# Altium PCB PCB_3U_DDS.PcbDoc (part 11 of 12) (continued)
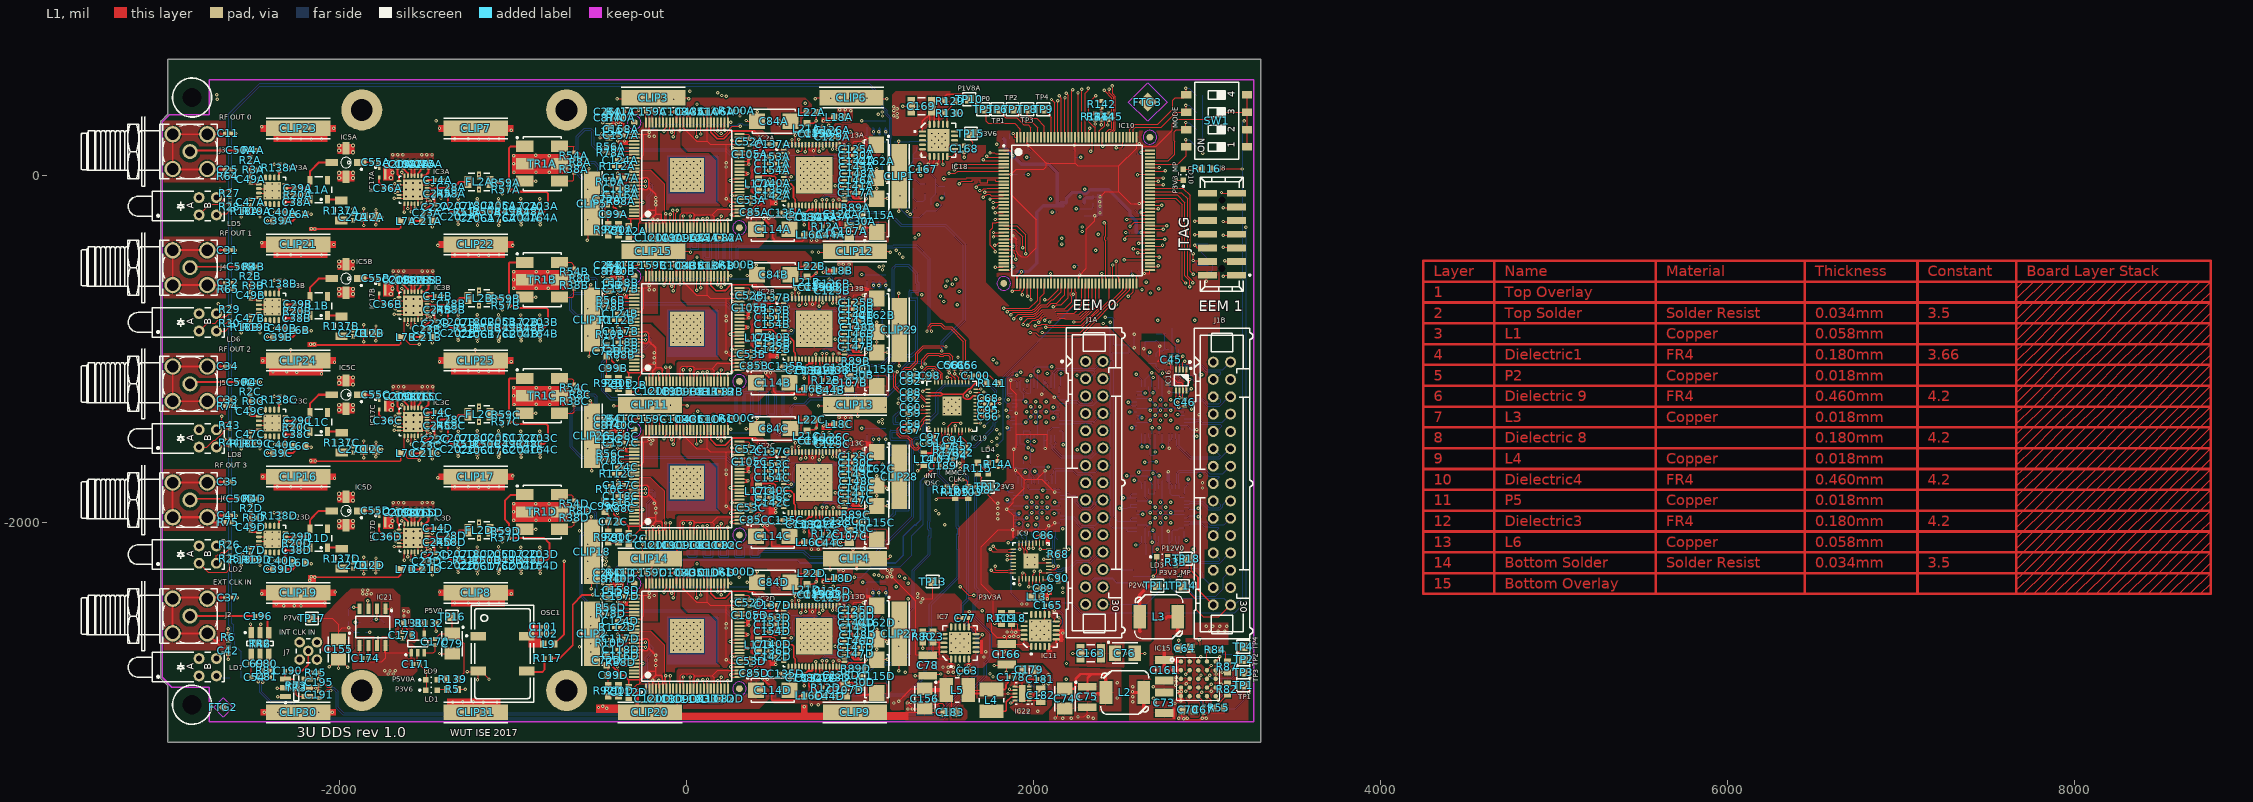
[diagram p0: L1 view]
## Nets (pads, with @x,y where several pads share a name; then routed paths per layer and width w, separated by ;. In a path a pad name is that pad's centre, name@x,y a point inside that pad or via, vN(x,y) a via of type N, cw(c..) or ccw(c..) an arc to the next point about the centre after c; other vN are vias at no path point) (continued)
RSET1A: IC2A.84 R112A.1 | length 95.8
  L1 w5.98: R112A.1@-384.06,50.09 -363.98,50.09 -363.98,52.75 -346.14,70.59 -346.14,73.15 -340.55,78.74 IC2A.84@-303.15,78.74
RSET1B: IC2B.84 R112B.1 | length 95.8
  L1 w5.98: R112B.1@-384.06,-835.73 -363.98,-835.73 -363.98,-833.07 -346.14,-815.24 -346.14,-812.68 -340.55,-807.09 IC2B.84@-303.15,-807.09
RSET1C: IC2C.84 R112C.1 | length 95.8
  L1 w5.98: R112C.1@-384.06,-1721.56 -363.98,-1721.56 -363.98,-1718.9 -346.14,-1701.06 -346.14,-1698.5 -340.55,-1692.91 IC2C.84@-303.15,-1692.91
RSET1D: IC2D.84 R112D.1 | length 95.8
  L1 w5.98: R112D.1@-384.06,-2607.39 -363.98,-2607.39 -363.98,-2604.73 -346.14,-2586.89 -346.14,-2584.33 -340.55,-2578.74 IC2D.84@-303.15,-2578.74
RSETA: IC13A.48 R15A.1 | length 157.5
  L1 w5: IC13A.48@909.06,147.64 909.06,162.89 919.17,173 v1(932.86,173)
  L6 w5: v1(932.86,173) 932.86,160.54 939.96,153.44 R15A.1@1031.69,153.44
RSETB: IC13B.48 R15B.1 | length 157.5
  L1 w5: IC13B.48@909.06,-738.19 909.06,-722.94 919.17,-712.83 v1(932.86,-712.83)
  L6 w5: v1(932.86,-712.83) 932.86,-725.28 939.96,-732.39 R15B.1@1031.69,-732.39
RSETC: IC13C.48 R15C.1 | length 157.5
  L1 w5: IC13C.48@909.06,-1624.02 909.06,-1608.76 919.17,-1598.65 v1(932.86,-1598.65)
  L6 w5: v1(932.86,-1598.65) 932.86,-1611.11 939.96,-1618.21 R15C.1@1031.69,-1618.21
RSETD: IC13D.48 R15D.1 | length 157.5
  L1 w5: IC13D.48@909.06,-2509.84 909.06,-2494.59 919.17,-2484.48 v1(932.86,-2484.48)
  L6 w5: v1(932.86,-2484.48) 932.86,-2496.94 939.96,-2504.04 R15D.1@1031.69,-2504.04
S1A: IC13A.9 R96A.1 R104A.2 | length 823.2
  L1 w5.98: IC13A.9@558.66,-9.84 602.26,-9.84 v1(602.36,-9.95)
  L4 w5.98: v1(942.86,250) 946.86,254 958.59,242.27 972.69,242.27 977.23,237.73 1036.57,237.73 1037.01,238.16 1063.95,238.16 v1(1075.79,250)
  L6 w5.98: v1(602.36,-9.95) 580.09,-9.95 567.8,2.35 567.8,95.87 577.26,105.33 577.26,110.02 592.03,110.02 595.34,113.32 861.35,113.32 885.83,137.8 885.83,152.85 895.39,162.42 895.39,200.54 942.86,248 v1(942.86,250) ; v1(1075.79,250) R104A.2@1075.79,275.88
S1B: IC13B.9 R96B.1 R104B.2 | length 828.9
  L1 w5.98: IC13B.9@558.66,-895.67 602.26,-895.67 v1(602.36,-895.77)
  L4 w5.98: v1(942.86,-635.83) 954.69,-647.66 1063.95,-647.66 v1(1075.79,-635.83)
  L6 w5.98: v1(602.36,-895.77) 600.51,-893.92 578.24,-893.92 560,-875.68 560,-790 574.19,-775.81 592.03,-775.81 598.83,-769.02 751.57,-769.02 755.41,-772.86 857.47,-772.86 895.39,-734.94 895.39,-685.29 942.86,-637.83 v1(942.86,-635.83) ; v1(1075.79,-635.83) R104B.2@1075.79,-609.94
S1C: IC13C.9 R96C.1 R104C.2 | length 860.6
  L1 w5.98: IC13C.9@558.66,-1781.5 602.26,-1781.5 v1(602.36,-1781.6)
  L4 w5.98: v1(942.86,-1521.65) 946.86,-1517.65 956.47,-1527.26 958.16,-1527.26 960.16,-1529.27 1046.57,-1529.27 1048.58,-1527.26 1070.18,-1527.26 v1(1075.79,-1521.65)
  L6 w5.98: v1(602.36,-1781.6) 571.6,-1781.6 560,-1770 560,-1680 578.36,-1661.64 592.03,-1661.64 594.66,-1659.02 870.98,-1659.02 890,-1640 890,-1614.63 895.39,-1609.24 895.39,-1571.12 905.45,-1561.06 908.5,-1561.06 942.86,-1526.7 v1(942.86,-1521.65) ; v1(1075.79,-1521.65) R104C.2@1075.79,-1495.77
  L6 w6: v1(1075.79,-1521.65) 1075.87,-1521.74 R96C.1@1075.87,-1544.28
S1D: IC13D.9 R96D.1 R104D.2 | length 864.4
  L1 w5.98: IC13D.9@558.66,-2667.32 602.26,-2667.32 v1(602.36,-2667.43)
  L4 w5.98: v1(942.86,-2407.48) 946.86,-2403.48 950.92,-2407.54 v1(1072.05,-2407.54)
  L6 w5.98: v1(602.36,-2667.43) 557.43,-2667.43 550,-2660 550,-2579.41 578.24,-2551.17 578.83,-2551.17 582.54,-2547.46 592.03,-2547.46 601.27,-2538.23 647.75,-2538.23 649.11,-2539.59 663.88,-2539.59 665.25,-2538.23 749.12,-2538.23 755.41,-2544.51 856.77,-2544.51 884.26,-2517.02 884.26,-2506.2 895.39,-2495.06 895.39,-2456.95 942.86,-2409.48 v1(942.86,-2407.48) ; R104D.2@1075.79,-2381.6 1072.05,-2385.34 v1(1072.05,-2407.54) 1072.05,-2426.46 R96D.1@1075.87,-2430.28
S2A: IC13A.10 R97A.1 R105A.2 | length 748.9
  L1 w5.98: IC13A.10@558.66,-29.53 585.9,-29.53 588.48,-29.53 586.8,-31.21 586.71,-31.3 585.9,-30.49 v1(585.9,-30.31)
  L3 w5.98: v1@585.9,-31.27 v1(585.9,-30.31)
  L6 w5.98: v1(585.9,-30.31) 619.29,-30.31 629.92,-19.69 629.92,98.43 885.83,98.43 912.83,125.43 912.83,161.91 907.36,167.37 907.36,175.5 962.07,230.21 R97A.1@1040.35,230.21 R105A.2@1040.35,275.88
S2B: IC13B.10 R97B.1 R105B.2 | length 740
  L1 w5.98: IC13B.10@558.66,-915.35 584.87,-915.35 v1@584.94,-915.35 ; v1(584.87,-913.79) 584.87,-915.29 v1@584.94,-915.35 ; v1@584.94,-915.35 588.48,-915.35 587.46,-916.37 586.71,-917.13 v1@584.94,-915.35
  L3 w5.98: v1(584.87,-913.79) 584.87,-916.07 v1@585.93,-917.13
  L6 w5.98: v1(584.87,-913.79) 609.57,-913.79 620.2,-903.16 620.2,-888.38 620,-888.19 620,-790 626.16,-783.84 868.98,-783.84 912.83,-740 912.83,-723.92 907.36,-718.45 907.36,-710.32 962.07,-655.61 1039.87,-655.61 1040.35,-655.61 R105B.2@1040.35,-609.94
S2C: IC13C.10 R97C.1 R105C.2 | length 752
  L1 w5.98: IC13C.10@558.66,-1801.18 v1@585.8,-1801.18 ; v1(585.8,-1799.95) v1@585.8,-1801.18 ; v1@585.8,-1801.18 588.48,-1801.18 587.76,-1801.9 586.71,-1802.95 585.8,-1802.04 v1@585.8,-1801.18
  L3 w5.98: v1(585.8,-1799.95) 585.8,-1802.82 v1@585.93,-1802.95
  L6 w5.98: v1(585.8,-1799.95) 610,-1799.95 610,-1799.18 620.2,-1788.99 620.2,-1774.21 610,-1764.01 610,-1710 620,-1700 620,-1680 630,-1670 890,-1670 907.36,-1652.64 907.36,-1596.15 962.07,-1541.44 1039.87,-1541.44 1040.35,-1541.44 R105C.2@1040.35,-1495.77
S2D: IC13D.10 R97D.1 R105D.2 | length 748.6
  L1 w5.98: IC13D.10@558.66,-2687.01 585.9,-2687.01 588.48,-2687.01 586.8,-2688.69 586.71,-2688.78 585.9,-2687.97 v1(585.9,-2687.8)
  L3 w5.98: v1@585.9,-2688.75 v1(585.9,-2687.8)
  L6 w5.98: v1(585.9,-2687.8) 607.21,-2687.8 620.2,-2674.81 620.2,-2660.04 620.08,-2659.92 620.08,-2640.08 610,-2630 610,-2570 630.79,-2549.21 643.2,-2549.21 644.56,-2550.58 668.43,-2550.58 669.8,-2549.21 744.57,-2549.21 750.86,-2555.5 874.5,-2555.5 907.36,-2522.64 907.36,-2481.98 962.07,-2427.27 1039.87,-2427.27 1040.35,-2427.27 R105D.2@1040.35,-2381.6
S3A: IC13A.54 R98A.1 R106A.2 | length 473.5
  L1 w5: IC13A.54@783.07,175.2 784.86,173.41 v1(784.86,151.17)
  L4 w5: v1(784.86,151.17) 822.22,188.54 898.25,188.54 935.96,226.25 1123.11,226.25 v1(1146.86,250)
  L6 w5: R98A.1@1146.65,230.21 v1@1146.65,250 ; R106A.2@1146.65,275.88 1146.65,253 1146.86,252.8 v1(1146.86,250)
S3B: IC13B.54 R98B.1 R106B.2 | length 495.1
  L1 w5: IC13B.54@783.07,-710.63 783.46,-711.02 v1(783.46,-736.32)
  L4 w5: v1(783.46,-736.32) 783.46,-704.83 815.81,-672.48 905.71,-672.48 919.05,-659.14 1123.55,-659.14 v1(1146.86,-635.83)
  L6 w5: R98B.1@1146.65,-655.61 v1@1146.65,-635.83 ; R106B.2@1146.65,-609.94 1146.65,-632.83 1146.86,-633.03 v1(1146.86,-635.83)
S3C: IC13C.54 R98C.1 R106C.2 | length 507.7
  L1 w5: IC13C.54@783.07,-1596.46 783.46,-1596.85 v1(783.46,-1622.15)
  L4 w5: v1(783.46,-1622.15) 783.46,-1572.05 794.95,-1560.57 908.3,-1560.57 919.04,-1549.83 919.04,-1546.85 925.14,-1540.75 1127.76,-1540.75 v1(1146.86,-1521.65)
  L6 w5: R98C.1@1146.65,-1541.44 v1@1146.65,-1521.65 ; R106C.2@1146.65,-1495.77 1146.65,-1518.65 1146.86,-1518.86 v1(1146.86,-1521.65)
S3D: IC13D.54 R98D.1 R106D.2 | length 529.7
  L1 w5: IC13D.54@783.07,-2482.28 783.46,-2482.68 v1(783.46,-2507.98)
  L4 w5: v1(783.46,-2507.98) 783.46,-2516.83 801.18,-2534.55 919.29,-2534.55 951.83,-2502.01 1096.52,-2502.01 1146.86,-2451.67 v1(1146.86,-2407.48)
  L6 w5: R98D.1@1146.65,-2427.27 v1@1146.65,-2407.48 ; R106D.2@1146.65,-2381.6 1146.65,-2404.48 1146.86,-2404.69 v1(1146.86,-2407.48)
S4A: IC13A.55 R99A.1 R107A.2 | length 561.4
  L1 w5: v1(763,138) v1@763.39,137.61 ; IC13A.55@763.39,175.2 763.39,138 v1@763.39,137.61 ; v1@763.39,137.61 763.61,137.39 763.61,131.17 763.39,131.39 v1@763.39,137.61
  L4 w5.98: v1(763,138) 763,135.03 766.04,131.99 766.04,138 766.04,158.97 807.09,200.02 887.93,200.02 890.87,202.96 895.74,202.96 900.5,207.72 901.19,207.72 916.99,223.51 916.99,250.07 924.04,257.12 924.04,257.79 935.06,268.82 950.65,268.82 956.72,262.75 969.14,262.75 982.19,249.7 1031.61,249.7 1032.05,250.13 1036.05,250.13 1054.73,268.82 1092.04,268.82 1106.86,254 v1(1106.86,250)
  L6 w5.98: v1(1106.86,250) 1107.22,250 1111.22,254 R107A.2@1111.22,275.88 ; R99A.1@1111.22,230.21 v1@1111.22,250
S4B: IC13B.55 R99B.1 R107B.2 | length 565
  L1 w5: v1(762.8,-755.02) 763.39,-754.43 IC13B.55@763.39,-710.63
  L4 w5.98: v1(762.8,-755.02) 762.8,-684.89 798.38,-649.3 854.93,-649.3 892.91,-611.32 957.38,-611.32 981.75,-635.69 1033.74,-635.69 1052.43,-617.01 1092.04,-617.01 1106.86,-631.83 v1(1106.86,-635.83)
  L6 w5.98: v1(1106.86,-635.83) 1107.22,-635.83 1111.22,-631.83 R107B.2@1111.22,-609.94 ; R99B.1@1111.22,-655.61 v1@1111.22,-635.83
S4C: IC13C.55 R99C.1 R107C.2 | length 560.7
  L1 w5: v1(762.8,-1640.85) 763.39,-1640.26 IC13C.55@763.39,-1596.46
  L4 w5.98: v1(762.8,-1640.85) 762.8,-1570.72 811.21,-1522.3 855.61,-1522.3 879.78,-1498.13 945.95,-1498.13 961.68,-1513.86 965.12,-1517.3 1041.61,-1517.3 1043.62,-1515.29 1055.53,-1515.29 1067.99,-1502.83 1083.58,-1502.83 1084.05,-1503.3 1092.51,-1503.3 1106.86,-1517.65 v1(1106.86,-1521.65)
  L6 w5.98: v1(1106.86,-1521.65) 1107.22,-1521.65 1111.22,-1517.65 R107C.2@1111.22,-1495.77 ; R99C.1@1111.22,-1541.44 v1@1111.22,-1521.65
S4D: IC13D.55 R99D.1 R107D.2 | length 519.8
  L1 w5: v1(762.8,-2526.68) 763.39,-2526.09 IC13D.55@763.39,-2482.28
  L4 w5.98: v1(762.8,-2526.68) 762.8,-2503.06 775.45,-2490.4 775.82,-2490.4 776.08,-2490.14 790.85,-2490.14 791.11,-2490.4 899.54,-2490.4 943.5,-2446.44 1043.78,-2446.44 1045.28,-2447.94 1098.43,-2447.94 1106.86,-2439.5 v1(1106.86,-2407.48)
  L6 w5.98: v1(1106.86,-2407.48) 1107.22,-2407.48 1111.22,-2403.48 R107D.2@1111.22,-2381.6 ; R99D.1@1111.22,-2427.27 v1@1111.22,-2407.48
SG0: C37.1 C42.2 J2.2 R6.2 | length 920.5
  L1 w11.81: -2702.76,-2683.17 -2692.91,-2683.17 -2691.73,-2681.99 R6.2@-2643.7,-2681.99 ; C37.1@-2660.84,-2434.79 -2764.17,-2434.79 -2957.52,-2434.79 J2.2@-2964.17,-2441.44 J2.2@-2964.17,-2641.44 J2.2@-2764.17,-2641.44 -2681.1,-2724.51 C42.2@-2643.7,-2724.51
SG1: C11.1 C25.2 J3.2 R64.2 | length 846
  L1 w9.84: R64.2@-2664.3,-7.15 -2664.3,31.43 C25.2@-2663.51,32.22 -2764.17,32.22 -2960.66,32.22 J3.2@-2964.17,35.72 J3.2@-2964.17,235.72 J3.2@-2764.17,235.72 -2666.33,235.72 C11.1@-2661.84,240.21
SG2: C31.1 C32.2 J4.2 R65.2 | length 838.2
  L1 w10: R65.2@-2663.06,-656.5 -2680.05,-639.52 -2680.05,-638.84 ; C31.1@-2662.84,-431.79 -2764.17,-431.79 -2962.39,-431.79 J4.2@-2964.17,-433.57 J4.2@-2964.17,-633.57 J4.2@-2764.17,-633.57 -2685.32,-633.57 -2680.05,-638.84 ; C32.2@-2662.28,-621.07 -2680.05,-638.84
SG3: C33.1 C34.2 J5.2 R74.2 | length 841.2
  L1 w10: R74.2@-2663.63,-1330.79 C33.1@-2663.63,-1295.57 ; C33.1@-2662.84,-1294.79 C33.1@-2663.63,-1295.57 ; C34.2@-2662.84,-1102.79 -2764.17,-1102.79 -2964.1,-1102.79 J5.2@-2964.17,-1102.86 J5.2@-2964.17,-1302.86 J5.2@-2764.17,-1302.86 -2670.91,-1302.86 C33.1@-2663.63,-1295.57
SG4: C35.1 C41.2 J6.2 R75.2 | length 923.3
  L1 w11.81: C35.1@-2662.84,-1767.79 -2759.81,-1767.79 J6.2@-2764.17,-1772.15 J6.2@-2964.17,-1772.15 J6.2@-2964.17,-1972.15 J6.2@-2764.17,-1972.15 ; R75.2@-2662.63,-2001.15 -2735.17,-2001.15 J6.2@-2764.17,-1972.15 ; C41.2@-2661.84,-1961.78 -2753.81,-1961.78 J6.2@-2764.17,-1972.15
SYNC_SMP_ERR0: IC2A.12 IC10.19 | length 1985.6
  L1 w5.98: IC2A.12@-19.69,-303.15 v1(-19.69,-235.34) ; v1(1777.17,-216.54) 1822.94,-216.54 IC10.19@1826.77,-212.7
  L4 w5.98: v1(-19.69,-235.34) -13.65,-235.34 22.25,-199.44 391.98,-199.44 400.6,-208.06 416.19,-208.06 424.81,-199.44 473.6,-199.44 480.65,-206.49 482.42,-206.49 515.75,-239.83 540.86,-239.83 560.86,-219.83 913.17,-219.83 920.64,-227.3 1165.23,-227.3 1183.5,-245.57 1380.36,-245.57 1398.51,-227.42 1766.28,-227.42 v1(1777.17,-216.54)
SYNC_SMP_ERR1: IC2B.12 IC10.28 | length 2702
  L1 w5.98: IC2B.12@-19.69,-1188.98 v1(-19.69,-1121.17) ; v1(1775,-405) 1775,-405.59 1774.84,-405.75 1778.64,-409.55 1779.1,-409.1 1798.33,-389.87 IC10.28@1826.77,-389.87
  L3 w5.98: v1@1770.59,-1059.72 v1(1767.32,-1062.99) 1767.32,-548.4 1760.17,-541.25 1760.17,-421.04 1775,-406.21 v1(1775,-405)
  L4 w5.98: v1(-19.69,-1121.17) -19.69,-1101.37 0.32,-1081.36 217.55,-1081.36 218.1,-1081.91 397.94,-1081.91 405.54,-1089.51 417.99,-1101.97 481.97,-1101.97 507.83,-1127.83 537.83,-1127.83 540,-1130 571.48,-1130 595.61,-1105.87 907.9,-1105.87 915.86,-1113.83 938.95,-1113.83 947.61,-1105.17 962.39,-1105.17 971.05,-1113.83 1134.86,-1113.83 1173.33,-1075.36 1289.33,-1075.36 1320.67,-1044.02 1517.05,-1044.02 1545.07,-1072.04 1758.27,-1072.04 v1(1767.32,-1062.99)
SYNC_SMP_ERR2: IC2C.12 IC10.40 | length 3580.1
  L1 w5.98: IC2C.12@-19.69,-2074.8 v1(-19.69,-2006.99) ; IC10.40@1962.6,-624.12 1962.6,-697.25 v1(1964.17,-698.82)
  L3 w5.98: v1(1435,-1933) 1437.16,-1930.84 1437.16,-1896.58 1455.98,-1877.76 1455.98,-1862.17 1442.39,-1848.59 1442.39,-1482.6 1446.69,-1478.3 1446.69,-1435.36 1440.37,-1429.03 1440.37,-1215.79 1462.37,-1193.79 1462.37,-1167.52 1462.71,-1167.17 1462.71,-1152.4 1462.37,-1152.06 1462.37,-1100.95 1463.35,-1099.97 1463.35,-1056.75 1514.51,-1005.58 1514.51,-969.58 1462.2,-917.28 v1(1462.2,-698.82)
  L4 w5: v1(-19.69,-2006.99) -19.69,-1966.35 16.87,-1929.79 146.87,-1929.79 207.87,-1868.79 399.87,-1868.79 417.32,-1886.24 417.32,-1895.77 446.85,-1925.3 468.03,-1925.3 477.87,-1935.14 477.87,-1945.79 492.94,-1960.85 509.72,-1960.85
  L4 w5.98: 509.72,-1960.85 519.2,-1960.85 528.7,-1951.35 908.1,-1951.35 915.1,-1944.35 1010.94,-1944.35 1036.75,-1970.16 1397.84,-1970.16 v1(1435,-1933) ; v1(1462.2,-698.82) 1465,-701.61 1823.58,-701.61 1826.38,-698.82 1861.58,-698.82 1862.84,-700.08 1888.34,-700.08 1889.6,-698.82 1917.87,-698.82 1926.85,-707.8 1942.44,-707.8 1951.42,-698.82 v1(1964.17,-698.82)
SYNC_SMP_ERR3: IC2D.12 IC10.39 | length 4339.3
  L1 w5.98: IC2D.12@-19.69,-2960.63 v1(-19.69,-2892.82) ; v1(1934.65,-688.98) 1934.65,-669.79 1942.91,-661.52 IC10.39@1942.91,-624.12
  L3 w5.98: v1(1259.84,-2866.24) 1259.84,-2760.05 1305,-2714.89 1305,-2306.88 1287.4,-2289.27 1287.4,-1586.62 1309.06,-1564.96 1309.06,-1535.43 1377.02,-1467.46 1377.02,-1449.44 1399.23,-1427.23 1399.23,-1168.71 1398.29,-1167.77 1398.29,-1104.76 1402.69,-1100.36 1402.69,-1038.52 1353.94,-989.76 v1(1353.94,-688.98)
  L4 w5.98: v1(-19.69,-2892.82) -19.69,-2873.02 -0.32,-2853.66 182.28,-2853.66 184.06,-2855.44 199.65,-2855.44 201.43,-2853.66 387.2,-2853.66 399.6,-2866.06 415.19,-2866.06 427.59,-2853.66 534.87,-2853.66 551,-2869.79 866.87,-2869.79 881.87,-2884.79 931.87,-2884.79 932.87,-2883.79 935.82,-2883.79 944.81,-2874.81 1251.28,-2874.81 v1(1259.84,-2866.24) ; v1(1353.94,-688.98) 1445.43,-688.98 1454.41,-680 1470,-680 1479.65,-689.65 1578.27,-689.65 1581.06,-686.85 1866.54,-686.85 1867.8,-688.11 1883.39,-688.11 1884.65,-686.85 1932.52,-686.85 v1(1934.65,-688.98)
TP0: IC10.143 TP5.1 | length 338.5
  L1 w6: TP5.1@1707.87,379.21 1724.87,362.21 1724.87,311.21 1737.87,298.21 1888.87,298.21 1923.23,263.86 IC10.143@1923.23,218.4
TP1: IC10.140 TP6.1 | length 291.5
  L1 w6: TP6.1@1791.34,379.82 1823.87,347.28 1823.87,345.21 1837.87,331.21 1900.87,331.21 1942.87,289.21 1966.87,289.21 1982.28,273.8 IC10.140@1982.28,218.4
TP2: IC10.138 TP7.1 | length 244.6
  L1 w6: TP7.1@1876.87,380.21 1951.93,305.16 1990.93,305.16 2021.65,274.43 IC10.138@2021.65,218.4
TP3: IC10.136 TP8.1 | length 221.7
  L1 w6: TP8.1@1962.87,380.21 1962.87,347.34 1982.87,327.34 2015.75,327.34 2061.02,282.06 IC10.136@2061.02,218.4
TP4: IC10.134 TP9.1 | length 180.5
  L1 w5: TP9.1@2054.27,379.82 2100.39,333.69 IC10.134@2100.39,218.4
pads on no net: FTG1.FTG2 FTG2.1 FTG3.1 FTG4.1 IC1A.17 IC1A.44 IC1B.17 IC1B.44 IC2A.1 IC2A.20 IC2A.24 IC2A.40 IC2A.61 IC2A.72 IC2A.86 IC2A.87 IC2A.93 IC2A.94 IC2A.97 IC2A.98 IC2A.99 IC2A.100 IC2A.FTG1 IC2A.FTG2 IC2B.1 IC2B.20 IC2B.24 IC2B.40 IC2B.61 IC2B.72 IC2B.86 IC2B.87 IC2B.93 IC2B.94 IC2B.97 IC2B.98 IC2B.99 IC2B.100 IC2B.FTG1 IC2B.FTG2 IC2C.1 IC2C.20 IC2C.24 IC2C.40 IC2C.61 IC2C.72 IC2C.86 IC2C.87 IC2C.93 IC2C.94 IC2C.97 IC2C.98 IC2C.99 IC2C.100 IC2C.FTG1 IC2C.FTG2 IC2D.1 IC2D.20 IC2D.24 IC2D.40 IC2D.61 IC2D.72 IC2D.86 IC2D.87 IC2D.93 IC2D.94 IC2D.97 IC2D.98 IC2D.99 IC2D.100 IC2D.FTG1 IC2D.FTG2 IC6A.17 IC6A.44 IC6B.17 IC6B.44 IC7.2 IC7.3 IC7.4 IC7.13 IC7.14 IC7.15 IC7.17 IC8A.5 IC8B.5 IC9.17 IC9.29 IC9.30 IC10.18 IC10.20 IC10.31 IC10.33 IC10.34 IC10.42 IC10.44 IC10.46 IC10.48 IC10.66 IC10.75 IC10.106 IC10.107 IC10.112 IC10.114 IC10.115 IC10.135 IC10.137 IC10.139 IC10.142 IC10.FTG1 IC10.FTG2 IC11.2 IC11.3 IC11.4 IC11.13 IC11.14 IC11.15 IC11.17 IC13A.12 IC13A.13 IC13A.15 IC13A.16 IC13A.17 IC13A.18 IC13A.20 IC13A.21 IC13A.22 IC13A.34 IC13A.35 IC13A.38 IC13A.40 IC13A.41 IC13B.12 IC13B.13 IC13B.15 IC13B.16 IC13B.17 IC13B.18 IC13B.20 IC13B.21 IC13B.22 IC13B.34 IC13B.35 IC13B.38 IC13B.40 IC13B.41 IC13C.12 IC13C.13 IC13C.15 IC13C.16 IC13C.17 IC13C.18 IC13C.20 IC13C.21 IC13C.22 IC13C.34 IC13C.35 IC13C.38 IC13C.40 IC13C.41 IC13D.12 IC13D.13 IC13D.15 IC13D.16 IC13D.17 IC13D.18 IC13D.20 IC13D.21 IC13D.22 IC13D.34 IC13D.35 IC13D.38 IC13D.40 IC13D.41 IC14.4 IC18.2 IC18.3 IC18.4 IC18.13 IC18.14 IC18.15 IC18.17 IC19.11 IC19.13 IC19.21 IC19.24 IC19.25 IC19.28 IC19.40 IC19.41 IC22.4 IC23A.4 IC23A.6 IC23A.7 IC23A.8 IC23A.13 IC23A.14 IC23A.15 IC23A.16 IC23B.4 IC23B.6 IC23B.7 IC23B.8 IC23B.13 IC23B.14 IC23B.15 IC23B.16 IC23C.4 IC23C.6 IC23C.7 IC23C.8 IC23C.13 IC23C.14 IC23C.15 IC23C.16 IC23D.4 IC23D.6 IC23D.7 IC23D.8 IC23D.13 IC23D.14 IC23D.15 IC23D.16 J8.12 J8.14 J8.15 J8.16 L1A.2 L1A.4 L1B.2 L1B.4 L1C.2 L1C.4 L1D.2 L1D.4 OSC1.1
copper on no net: | length 138137.9
  L1 w1: 7664.12,-2393.68 7763.8,-2294 7883.8,-2174 8003.8,-2054 8123.8,-1934 8243.8,-1814 8363.8,-1694 8483.8,-1574 8603.8,-1454 8723.8,-1334 8783.8,-1274 ; 7664.12,-2333.68 7703.8,-2294 7823.8,-2174 7943.8,-2054 8063.8,-1934 8183.8,-1814 8303.8,-1694 8423.8,-1574 8543.8,-1454 8663.8,-1334 8783.8,-1214 ; 7664.12,-2273.68 7763.8,-2174 7883.8,-2054 8003.8,-1934 8123.8,-1814 8243.8,-1694 8363.8,-1574 8483.8,-1454 8603.8,-1334 8723.8,-1214 8783.8,-1154 ; 7664.12,-2213.68 7703.8,-2174 7823.8,-2054 7943.8,-1934 8063.8,-1814 8183.8,-1694 8303.8,-1574 8423.8,-1454 8543.8,-1334 8663.8,-1214 8783.8,-1094 ; 7664.12,-2153.68 7763.8,-2054 7883.8,-1934 8003.8,-1814 8123.8,-1694 8243.8,-1574 8363.8,-1454 8483.8,-1334 8603.8,-1214 8723.8,-1094 8783.8,-1034 ; 7664.12,-2093.68 7703.8,-2054 7823.8,-1934 7943.8,-1814 8063.8,-1694 8183.8,-1574 8303.8,-1454 8423.8,-1334 8543.8,-1214 8663.8,-1094 8783.8,-974 ; 7664.12,-2033.68 7763.8,-1934 7883.8,-1814 8003.8,-1694 8123.8,-1574 8243.8,-1454 8363.8,-1334 8483.8,-1214 8603.8,-1094 8723.8,-974 8783.8,-914 ; 7664.12,-1973.68 7703.8,-1934 7823.8,-1814 7943.8,-1694 8063.8,-1574 8183.8,-1454 8303.8,-1334 8423.8,-1214 8543.8,-1094 8663.8,-974 8783.8,-854 ; 7664.12,-1913.68 7763.8,-1814 7883.8,-1694 8003.8,-1574 8123.8,-1454 8243.8,-1334 8363.8,-1214 8483.8,-1094 8603.8,-974 8723.8,-854 8783.8,-794 ; 7664.12,-1853.68 7703.8,-1814 7823.8,-1694 7943.8,-1574 8063.8,-1454 8183.8,-1334 8303.8,-1214 8423.8,-1094 8543.8,-974 8663.8,-854 8783.8,-734 ; 7664.12,-1793.68 7763.8,-1694 7883.8,-1574 8003.8,-1454 8123.8,-1334 8243.8,-1214 8363.8,-1094 8483.8,-974 8603.8,-854 8723.8,-734 8783.8,-674 ; 7664.12,-1733.68 7703.8,-1694 7823.8,-1574 7943.8,-1454 8063.8,-1334 8183.8,-1214 8303.8,-1094 8423.8,-974 8543.8,-854 8663.8,-734 8783.8,-614 ; 7664.12,-1673.68 7763.8,-1574 7883.8,-1454 8003.8,-1334 8123.8,-1214 8243.8,-1094 8363.8,-974 8483.8,-854 8603.8,-734 8723.8,-614 ; 7664.12,-1613.68 7703.8,-1574 7823.8,-1454 7943.8,-1334 8063.8,-1214 8183.8,-1094 8303.8,-974 8423.8,-854 8543.8,-734 8663.8,-614 ; 7664.12,-1553.68 7763.8,-1454 7883.8,-1334 8003.8,-1214 8123.8,-1094 8243.8,-974 8363.8,-854 8483.8,-734 8603.8,-614 ; 7664.12,-1493.68 7703.8,-1454 7823.8,-1334 7943.8,-1214 8063.8,-1094 8183.8,-974 8303.8,-854 8423.8,-734 8543.8,-614 ; 7664.12,-1433.68 7763.8,-1334 7883.8,-1214 8003.8,-1094 8123.8,-974 8243.8,-854 8363.8,-734 8483.8,-614 ; 7664.12,-1373.68 7703.8,-1334 7823.8,-1214 7943.8,-1094 8063.8,-974 8183.8,-854 8303.8,-734 8423.8,-614 ; 7664.12,-1313.68 7763.8,-1214 7883.8,-1094 8003.8,-974 8123.8,-854 8243.8,-734 8363.8,-614 ; 7664.12,-1253.68 7703.8,-1214 7823.8,-1094 7943.8,-974 8063.8,-854 8183.8,-734 8303.8,-614 ; 7664.12,-1193.68 7763.8,-1094 7883.8,-974 8003.8,-854 8123.8,-734 8243.8,-614 ; 7664.12,-1133.68 7703.8,-1094 7823.8,-974 7943.8,-854 8063.8,-734 8183.8,-614 ; 7664.12,-1073.68 7763.8,-974 7883.8,-854 8003.8,-734 8123.8,-614 ; 7664.12,-1013.68 7703.8,-974 7823.8,-854 7943.8,-734 8063.8,-614 ; 7664.12,-953.68 7763.8,-854 7883.8,-734 8003.8,-614 ; 7664.12,-893.68 7703.8,-854 7823.8,-734 7943.8,-614 ; 7664.12,-833.68 7763.8,-734 7883.8,-614 ; 7664.12,-773.68 7703.8,-734 7823.8,-614 ; 7664.12,-713.68 7763.8,-614 ; 7664.12,-653.68 7703.8,-614 ; 7703.8,-2414 7823.8,-2294 7943.8,-2174 8063.8,-2054 8183.8,-1934 8303.8,-1814 8423.8,-1694 8543.8,-1574 8663.8,-1454 8783.8,-1334 ; 7763.8,-2414 7883.8,-2294 8003.8,-2174 8123.8,-2054 8243.8,-1934 8363.8,-1814 8483.8,-1694 8603.8,-1574 8723.8,-1454 8783.8,-1394 ; 7823.8,-2414 7943.8,-2294 8063.8,-2174 8183.8,-2054 8303.8,-1934 8423.8,-1814 8543.8,-1694 8663.8,-1574 8783.8,-1454 ; 7883.8,-2414 8003.8,-2294 8123.8,-2174 8243.8,-2054 8363.8,-1934 8483.8,-1814 8603.8,-1694 8723.8,-1574 8783.8,-1514 ; 7943.8,-2414 8063.8,-2294 8183.8,-2174 8303.8,-2054 8423.8,-1934 8543.8,-1814 8663.8,-1694 8783.8,-1574 ; 8003.8,-2414 8123.8,-2294 8243.8,-2174 8363.8,-2054 8483.8,-1934 8603.8,-1814 8723.8,-1694 8783.8,-1634 ; 8063.8,-2414 8183.8,-2294 8303.8,-2174 8423.8,-2054 8543.8,-1934 8663.8,-1814 8783.8,-1694 ; 8123.8,-2414 8243.8,-2294 8363.8,-2174 8483.8,-2054 8603.8,-1934 8723.8,-1814 8783.8,-1754 ; 8183.8,-2414 8303.8,-2294 8423.8,-2174 8543.8,-2054 8663.8,-1934 8783.8,-1814 ; 8243.8,-2414 8363.8,-2294 8483.8,-2174 8603.8,-2054 8723.8,-1934 8783.8,-1874 ; 8303.8,-2414 8423.8,-2294 8543.8,-2174 8663.8,-2054 8783.8,-1934 ; 8363.8,-2414 8483.8,-2294 8603.8,-2174 8723.8,-2054 8783.8,-1994 ; 8423.8,-2414 8543.8,-2294 8663.8,-2174 8783.8,-2054 ; 8483.8,-2414 8603.8,-2294 8723.8,-2174 8783.8,-2114 ; 8543.8,-2414 8663.8,-2294 8783.8,-2174 ; 8603.8,-2414 8723.8,-2294 8783.8,-2234 ; 8663.8,-2414 8783.8,-2294 ; 8723.8,-2414 8783.8,-2354
  L1 w5.98: v1(2953.96,-2678.9) 2953.96,-2688.58 2958.27,-2688.58 2958.27,-2708.66
  L1 w15: 4245,-2294 4654.91,-2294 5584.66,-2294 6444.42,-2294 7094.26,-2294 7664.12,-2294 8783.8,-2294 ; 4245,-2174 4654.91,-2174 5584.66,-2174 6444.42,-2174 7094.26,-2174 7664.12,-2174 8783.8,-2174 ; 4245,-2054 4654.91,-2054 5584.66,-2054 6444.42,-2054 7094.26,-2054 7664.12,-2054 8783.8,-2054 ; 4245,-1934 4654.91,-1934 5584.66,-1934 6444.42,-1934 7094.26,-1934 7664.12,-1934 8783.8,-1934 ; 4245,-1814 4654.91,-1814 5584.66,-1814 6444.42,-1814 7094.26,-1814 7664.12,-1814 8783.8,-1814 ; 4245,-1694 4654.91,-1694 5584.66,-1694 6444.42,-1694 7094.26,-1694 7664.12,-1694 8783.8,-1694 ; 4245,-1574 4654.91,-1574 5584.66,-1574 6444.42,-1574 7094.26,-1574 7664.12,-1574 8783.8,-1574 ; 4245,-1454 4654.91,-1454 5584.66,-1454 6444.42,-1454 7094.26,-1454 7664.12,-1454 8783.8,-1454 ; 4245,-1334 4654.91,-1334 5584.66,-1334 6444.42,-1334 7094.26,-1334 7664.12,-1334 8783.8,-1334 ; 4245,-1214 4654.91,-1214 5584.66,-1214 6444.42,-1214 7094.26,-1214 7664.12,-1214 8783.8,-1214 ; 4245,-1094 4654.91,-1094 5584.66,-1094 6444.42,-1094 7094.26,-1094 7664.12,-1094 8783.8,-1094 ; 4245,-974 4654.91,-974 5584.66,-974 6444.42,-974 7094.26,-974 7664.12,-974 8783.8,-974 ; 4245,-854 4654.91,-854 5584.66,-854 6444.42,-854 7094.26,-854 7664.12,-854 8783.8,-854 ; 4245,-734 4654.91,-734 5584.66,-734 6444.42,-734 7094.26,-734 7664.12,-734 8783.8,-734 ; 4245,-614 8783.8,-614 ; 4654.91,-494 4654.91,-2414 ; 5584.66,-494 5584.66,-2414 ; 6444.42,-494 6444.42,-2414 ; 7094.26,-494 7094.26,-2414 ; 7664.12,-494 7664.12,-2414 ; 4654.91,-2414 5584.66,-2414 ; 4654.91,-2414 4245,-2414 4245,-494 8783.8,-494 8783.8,-2414 7664.12,-2414 ; 5584.66,-2414 6444.42,-2414 ; 6444.42,-2414 7094.26,-2414 ; 7094.26,-2414 7664.12,-2414

## Polygon pours and split planes (outlines as drawn)
no net on L4 "NONET_L04_P050" (solid, remove dead copper, pour order 50): -4956.69,-7053.25
P3V3A on L4 "P3V3A_L04_P082" (solid, remove dead copper, pour order 82): 1199.75,-2327.27 1146.65,-2327.27 1143.41,-2299.79 -717.38,-2299.79 -717.38,-2062.79 1077.87,-2062.79 1199.75,-2184.67
P12V0 on L4 "P12V0_L04_P116" (solid, remove dead copper, pour order 116): 17 vertices, not listed, extent 2225.54,-2787.09 3244.65,-2334.33
P3V3 on L4 "P3V3_L04_P142" (solid, remove dead copper, pour order 142): 2105.28,-915.35 2704.62,-915.35 2993.39,-915.35 2993.39,-1204.13 2993.4,-1592.24 2993.39,-2326.58 1814.39,-2326.58 1814.4,-1575.24 1814.4,-1206.24
P1V8A on L4 "Top-No Net" (solid, remove dead copper, pour order 172): 1151.57,-555.61 794.88,-555.61 777.56,-572.94 763.78,-586.72 698.82,-586.72 498.03,-586.72 492.13,-592.62 486.59,-598.15 462.6,-598.15 442.91,-598.15 442.91,-467.62 760.83,-467.62 1151.57,-467.62
P3V3_DRVB on L4 "Top-No Net" (solid, remove dead copper, pour order 178): 492.13,-1055.22 832.28,-1055.22 893.9,-993.61 911.02,-976.48 911.02,-937.11 911.02,-916.58 610.24,-916.58 610.24,-937.11 610.24,-940.94 604.77,-946.41 604.23,-946.95 580.71,-946.95 524.84,-946.95 501.97,-969.83 492.13,-979.67
P3V3_DRVA on L4 "Top-No Net" (solid, remove dead copper, pour order 242): 492.13,-169.39 832.28,-169.39 893.9,-107.78 911.02,-90.65 911.02,-51.28 911.02,-26.31 610.24,-26.31 610.24,-51.28 610.24,-55.12 604.77,-60.58 604.23,-61.13 580.71,-61.13 524.84,-61.13 501.97,-84 492.13,-93.84
P1V8A on L4 "Top-No Net" (solid, remove dead copper, pour order 244): 1151.57,330.21 794.88,330.21 777.56,312.89 763.78,299.11 698.82,299.11 498.03,299.11 492.13,293.2 486.59,287.67 462.6,287.67 442.91,287.67 442.91,394.21 780.14,394.21 790.35,404.43 1151.57,404.43